# KiCad board AWS PROJECT.kicad_pcb (continued)
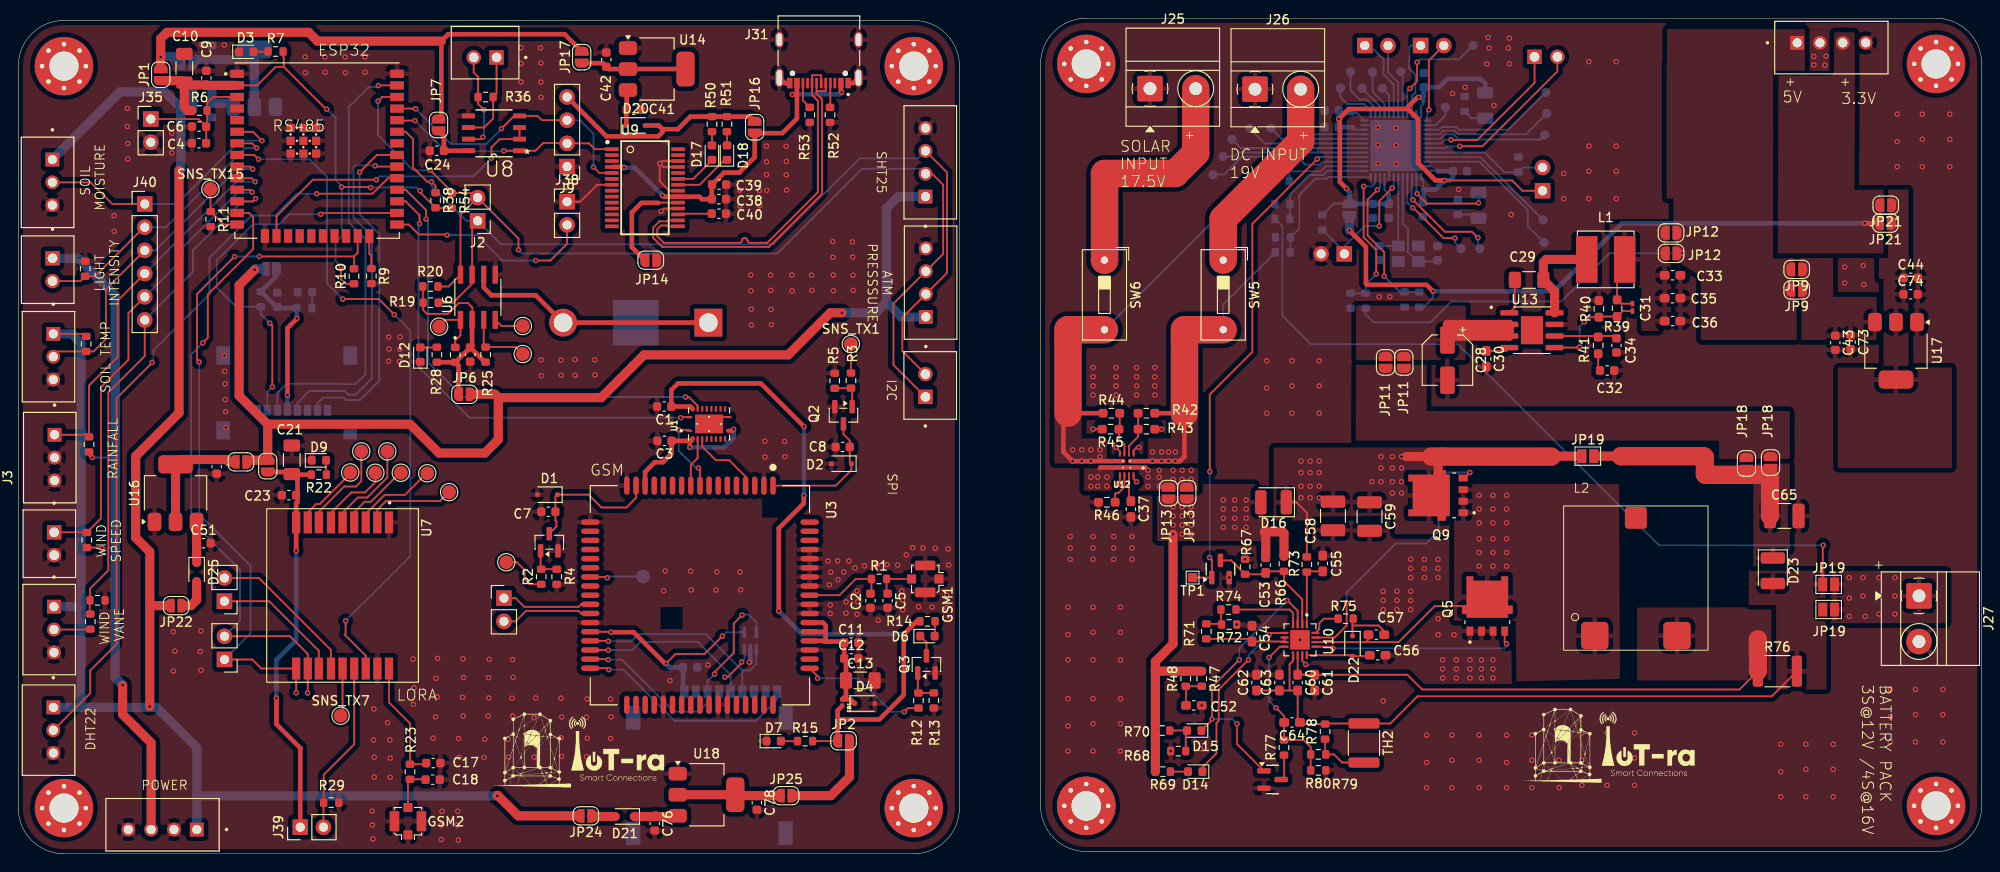
[diagram p0: board, top side]
## Nets (continued)
/power board/srp: C60.1 C61.1 L2.2 R76.1 U10.10
/power board/stat1: D14.1 U10.5
/power board/stat2: D15.1 Q12.1 U10.3
/power board/SW_AP: C29.1 L1.1 U13.8
/power board/ts: R74.2 U10.4
/power board/vfb: C64.2 R77.2 R79.1 R80.2 U10.8
/power board/vref: C54.1 R71.2 U10.6 U10.7
Vbuck: JP11.2 JP11#2.2 JP18.2 JP18#2.2
Net-(C5-Pad1): C5.1 GSM1.1 R1.2
Net-(C11-Pad1): C11.1 C12.1 C13.1 D4.1 FB1.1 U3.55 U3.56 U3.57
Net-(C18-Pad1): C18.1 GSM2.1 R23.2
Net-(C32-Pad1): C32.1 R41.1
Net-(C52-Pad1): C52.1 R47.1 R48.1
Net-(C56-Pad1): C56.1 D22.1 R75.1
Net-(D3-A): D3.2 R7.1
Net-(D6-A): D6.2 R14.1
Net-(D6-K): D6.1 Q3.3
Net-(D7-A): D7.2 R15.1
Net-(D9-A): D9.2 R22.1
Net-(D10-K): D10.1 R31.2
Net-(D12-A): D12.2 R28.1
Net-(D13-A): D13.2 R30.1
Net-(D14-A): D14.2 R69.1
Net-(D15-A): D15.2 R68.2 R70.1
Net-(D16-K): C58.1 C59.1 C65.1 D16.1 D23.1 JP18.1 JP18#2.1 JP19#2.1 JP19#2.2 Q9.5_6 R73.2
Net-(D17-A): D17.2 R50.1
Net-(D17-K): D17.1 U9.23
Net-(D18-A): D18.2 R51.1
Net-(D18-K): D18.1 U9.22
Net-(D19-A): D19.2 U15.2
Net-(D19-K): D19.1 R37.2
Net-(D20-K): C41.1 D20.1 U14.3
Net-(D21-A): D21.2 JP24.1
Net-(D21-K): C76.1 D21.1 U18.3
Net-(D24-A): D24.2 JP10.1
Net-(D24-K): C47.1 D24.1 U11.3
Net-(D25-A): D25.2 JP22.1
Net-(D25-K): C51.1 D25.1 U16.3
Net-(J5-Pin_1): J5.1 U15.30
Net-(J5-Pin_2): J5.2 U15.31
Net-(J6-Pin_1): J6.1 U15.34
Net-(J6-Pin_2): J6.2 U15.37
Net-(J13-Pin_1): J13.1 U7.12
Net-(J13-Pin_2): J13.2 U7.13
Net-(J25-Pin_2): J25.2 SW6.1
Net-(J26-Pin_2): J26.2 SW5.1
Net-(J31-CC1): J31.A5 R52.2
Net-(J31-CC2): J31.B5 R53.2
Net-(J35-Pin_1): C4.2 C6.1 J35.1 R6.2 U2.3
Net-(J37-Pad2): J37.2 R62.1
Net-(J38-Pin_2): J38.2 U2.25
Net-(JP9-A): C43.1 C73.1 JP9.1 JP9#2.1 U17.3
Net-(JP11-A): C28.1 JP11. JP11#2.1 U13.2 U13.3
Net-(JP12-A): C31.1 C33.1 C35.1 C36.1 JP12.1 JP12#2.1 L1.2 R39.1
Net-(JP13-A): JP13.1 JP13#2.1 U12.1 U12.1_1 U12.8 U12.8_1
Net-(JP14-A): JP14.1 U9.19
Net-(JP15-A): C49.1 JP15.1 U11.2
Net-(JP17-A): C42.1 JP17.1 U14.2
Net-(JP21-A): C44.1 C74.1 JP21.1 JP21#2.1 U17.2
Net-(JP23-A): C67.1 JP23.1 U16.2
Net-(JP25-A): C78.1 JP25.1 U18.2
Net-(Q1-B): Q1.1 R2.2 R4.2
Net-(Q2-B): Q2.1 R3.2 R5.2
Net-(Q3-B): Q3.1 R12.2 R13.2
Net-(Q12-D): Q12.3 R77.1
Net-(R71-Pad1): R71.1 R72.2 R74.1
Net-(R78-Pad1): R78.1 R79.2 TH2.2
Net-(U3-USB_VBUS): SNS_TX14.1 U3.24
Net-(U6-VBAT): BT1.1 BT1.1_1 U6.6
Net-(U7-IO4): SNS_TX3.1 U7.5
Net-(U7-IO5): SNS_TX2.1 U7.6
Net-(U7-IO8): SNS_TX6.1 U7.2
Net-(U7-IO9): SNS_TX4.1 U7.4
Net-(U7-IO11): SNS_TX5.1 U7.3
Net-(U7-IO14): SNS_TX7.1 U7.14
Net-(U7-SWC/IO7): SNS_TX11.1 U7.7
Net-(U7-SWD/IO6): SNS_TX12.1 U7.8
Net-(U8-A): J24.1 R36.2 U8.6
Net-(U8-B): J24.2 R36.1 U8.7
Net-(U9-3V3OUT): C40.1 U9.17
Net-(U10-VCC): C55.1 R73.1 U10.1
Net-(U12-ILIM): R46.1 U12.10
Net-(U12-SS): C37.1 U12.11
Net-(U13-BST): C29.2 U13.1
Net-(U13-COMP): C34.1 R41.2 U13.6
Net-(U13-SS): C30.1 U13.4
Net-(U15-PA5): PB3.1 U15.15
Net-(U15-PA7): PB1.1 U15.17
Net-(U15-PA8): PB2.1 U15.29
Net-(U15-PA11): PB4.1 U15.32
Net-(U15-PA12): PB5.1 U15.33
Net-(U15-PA15/JTDI): PB8.1 U15.38
Net-(U15-PB0): PB21.1 U15.18
Net-(U15-PB1): PB22.1 U15.19
Net-(U15-PB3/JTDO-SWO): PB20.1 U15.39
Net-(U15-PB4/~{JTRST}): PB19.1 U15.40
Net-(U15-PB5): PB18.1 U15.41
Net-(U15-PB8): PB11.1 U15.45
Net-(U15-PB9): PB12.1 U15.46
Net-(U15-PB10): PB13.1 U15.21
Net-(U15-PB12): PB14.1 U15.25
Net-(U15-PB13): PB15.1 U15.26
Net-(U15-PB14): PB16.1 U15.27
Net-(U15-PB15): PB17.1 U15.28
Net-(U15-PC14-OSC32_IN): PB7.1 U15.3
Net-(U15-PC15-OSC32_OUT): PB6.1 U15.4

Pads without a net: J10 1 2 3 4 C4 C6 C8; J19 1 8; J31 A8 B8; L2 3; NOREF 1; REF** 1; REF**#2 1; REF**#3 1; REF**#4 1; REF**#5 1; REF**#6 1; REF**#7 1; REF**#8 1; U1 5 6 7 8 9 12 13 14 15 16; U2 4 5 17 18 19 20 21 22 32 39_10 39_11 39_12 39_13 39_14 39_15 39_16 39_17 39_18 39_19 39_20 39_21; U3 3 5 6 7 8 11 12 13 14 19 20 21 22 23 25 26 35 36 37 38 40 41 42 43 44 47 48 49 50 51 53 66 67 68; U9 2 3 6 8 9 10 11 12 13 14 24 27 28; U13 9

## Via types
v1: diameter 0.6, hole 0.3, Top to Bottom, 633 vias

## Routing (per net, layer and track width the routed paths; a pad name or vN(x,y) marks a point on that pad's centre or on a via; arc(x,y) is an arc through that point)
3v3: length 76.3
  Top w0.2: R55.2 9.12,33.52 v1(9.19,33.46) ; R61.2 7.74,43.6 7.96,43.38 v1(8.11,43.38)
  Top w1: v1(11.42,18.46) 11.42,15.26 14.54,12.14 J18.3
  Bottom w0.2: v1(8.11,43.38) 10.5,43.38 10.61,43.49 ; 10.61,32.39 10.61,33.46 v1(9.19,33.46)
  Bottom w1: J15.1 6.55,65.21 10.61,61.14 10.61,19.27 v1(11.42,18.46)
5v: length 207.8
  Top w0.2: R35.2 7.16,56.93 J21.1
  Top w1: v1(14.39,16.12) 14.39,27.17 ; 14.39,27.17 JP22.2 ; 14.39,27.17 14.39,33.07 12.85,34.61 12.85,43.54 17.59,48.28 v1(17.59,74.85) ; v1(52.42,6.34) 52.47,6.39 54.71,4.15 JP24.2
  Bottom w1: 6.88,27.08 6.85,27.05 3.91,27.05 ; 6.88,27.08 6.88,55.89 5.84,56.93 J21.1 ; 6.88,27.08 6.88,16.03 ; 19.54,6.31 19.57,6.34 v1(52.42,6.34) ; 19.54,6.31 J18.1 ; 19.54,6.31 19.54,11.63 15.14,16.03 6.88,16.03 ; v1(17.59,74.85) 17.7,74.85 17.79,74.94 JP10.2 16.02,83.44 11.15,83.44 J20.1 ; 6.88,16.03 J32.1
+3.3V: length 70.5
  Top w0.5: v1(154.82,61.6) 154.13,62.29 147.66,62.29 147.49,62.46 147.49,66.45 v1(145.68,68.26) ; JP21#2.2 202.1,69.05 v1(202.08,69.03)
  Bottom w0.2: v1(154.82,61.6) 154.82,60.88 153.8,59.86 R49.1
  Bottom w0.5: v1(202.08,69.03) 175.52,69.03 168.09,61.6 v1(154.82,61.6)
  Bottom w1: JP20.2 v1(145.68,68.26)
+3.3V_ESP: length 61.9
  Top w0.5: 46.3,80.76 46.3,88.99 47.05,89.74 59.8,89.74 JP17.2
  Top w1: 46.3,88.99 32.74,88.99 31.78,89.95 16.28,89.95 15.59,89.26 15.59,87.25 v1(15.58,87.24) 15.58,85.97 JP1.2
  Bottom w1: v1(15.58,87.24) 15.64,87.3 17.03,87.3 JP15.2
+3.3V_GSM: length 11.1
  Top w1: JP2.2 90.97,8.41 88.92,6.36 JP25.2
+3.3V_LORA: length 128.2
  Top w1: 52.53,49.95 52.53,45.36 51.05,43.88 46.04,43.88 42.89,47.03 27.29,47.03 ; 52.53,49.95 63.8,49.95 68.48,54.63 84.26,54.63 88.87,59.24 v1(90.14,59.24) ; 52.53,49.95 52.16,50.32 49.49,50.32 JP6.2 ; 27.29,47.03 24.17,50.15 24.17,62.26 v1(25.87,63.96) ; 27.29,47.03 27.3,47.02 JP4.2 25.21,43.1 JP23.2
  Bottom w1: 95.01,60.41 96.63,58.79 J28.1 ; 95.01,60.41 93.84,59.24 v1(90.14,59.24) ; 95.01,60.41 95.01,70.7 95.04,70.7 96.3,71.96 99.29,71.96 ; v1(25.87,63.96) 25.96,64.05 JP8.2
+5V: length 38.9
  Bottom w0.2: v1(182.15,65.76) 174.16,65.76 168.87,60.47 156.83,60.47 154.55,58.19 148.33,58.19 147.45,59.07 R57.1
/gate way/VDD_EXT: length 16.5
  Top w0.5: 73.57,45.21 73.5,45.14 v1(73.5,44.49) ; 73.57,45.21 C3.1 71.5,43.83 70.56,42.9 70.56,42.88 69.67,42.88 68.6,41.81 U3.15 ; 73.57,45.21 73.78,45.41 ; U1.10 78.11,46.31 v1(78.28,46.48)
  Bottom w0.5: v1(73.5,44.49) 77.2,44.49 78.28,45.57 v1(78.28,46.48)
/power board/3V3_INPUT: length 16.7
  Top w0.2: v1(148.75,72.7) 147.67,71.62 147.67,67.7 149.49,65.88 v1(149.49,63.24)
  Bottom w0.2: v1(148.75,72.7) 149.02,72.98 U15.10 ; R49.2 153.31,61.53 R56.1 151.2,61.53 v1(149.49,63.24)
/power board/5V_INPUT: length 16.5
  Top w0.2: v1(148.62,63.5) 148.62,66.12 147.24,67.5 v1(147.24,73.08)
  Bottom w0.2: v1(148.62,63.5) 147.45,62.33 R57.2 145.82,61.38 R58.1 ; v1(147.24,73.08) 148.17,73.08 148.52,73.43 U15.11
GND: length 46.6
  Top w0.2: U12.3 122.05,44.16 122.38,44.49 v1(122.63,44.49) ; U12.6 120.55,44.06 v1(120.13,44.49) ; v1(70.2,75.59) 70.2,73.65 71.25,72.6 72.2,72.6 ; v1(70.2,75.59) 70.58,75.2 U9.25 ; v1(70.2,75.59) 70.47,75.85 U9.26 ; U10.11 140.52,21.1 v1(140.88,20.74) ; U1.21 76.35,47.81 U1.11 ; U9.18 70.66,70.66 v1(70.35,70.35) ; U9.7 63.36,73.25 61.5,71.41 J38.1 ; R45.2 v1(117.63,46.49) ; v1(122.38,40.74) 122.05,41.06 U12.12 ; U12.9 120.55,40.66 v1(120.38,40.49) ; R43.2 v1(125.13,46.49)
  Top w0.5: J31.S2 83.88,84.39 J31.B1_A12 ; J31.S1 91.36,84.39 J31.A1_B12
  Bottom w0.2: U15.49 150.02,76.78 U15.8 ; U15.49 153.02,75.28 U15.47 ; U15.49 v1(148.78,79.53) 148.52,79.78 U15.23 ; U15.49 153.02,79.78 U15.35
  Bottom w0.5: v1(80,20.97) 80.12,21.09 D5.2
  vias: v1(10.47,69.88) v1(10.49,68.15) v1(11.94,81.62) v1(11.94,79.64) v1(11.98,77.77) v1(11.98,76.08) v1(16.79,78.9) v1(16.79,76.76) v1(16.97,24.32) v1(16.97,20) v1(17.14,22.18) v1(19.92,22.14) v1(19.99,24.41) v1(19.99,20.09) v1(20.08,88.59) v1(21.24,88.57) v1(22.55,88.57) v1(22.56,54.56) v1(22.58,52.83) v1(22.63,51.46) v1(22.65,49.73) v1(22.69,48.41) v1(22.71,46.68) v1(31.4,87.27) v1(31.42,85.54) v1(33.56,87.24) v1(33.59,85.58) v1(35.77,87.27) v1(35.79,85.54) v1(37.93,87.24) v1(37.96,85.58) v1(38.73,4.66) v1(38.75,3.15) v1(38.88,12.45) v1(38.81,1.62) v1(38.92,15.86) v1(38.96,10.57) v1(38.96,8.4) v1(40.41,14.35) v1(40.54,56.59) v1(40.52,53.94) v1(40.59,55.27) v1(40.67,12.47) v1(40.71,10.47) v1(40.71,8.37) v1(41.77,56.59) v1(41.76,55.24) v1(41.72,53.9) v1(43.21,21.32) v1(43.24,16.36) v1(43.32,18.17) v1(45.4,12.65) v1(45.67,14.99) v1(45.72,19.21) v1(45.84,17.17) v1(45.89,21.39) v1(46.37,4.64) v1(46.34,3.15) v1(46.3,1.56) v1(48.03,3.15) v1(48.18,12.61) v1(48.09,4.66) v1(48.16,1.49) v1(48.25,10.56) v1(48.67,21.35) v1(48.62,17.13) v1(48.74,19.3) v1(48.69,15.08) v1(50.97,10.54) v1(51.05,12.54) v1(51.46,19.28) v1(51.41,15.06) v1(51.54,21.28) v1(51.49,17.06) v1(53.6,12.52) v1(53.66,10.58) v1(54.04,17.04) v1(54.09,21.26) v1(54.15,19.32) v1(54.1,15.1) v1(55,88.27) v1(55.02,86.54) v1(55.03,84.52) v1(55.05,82.79) v1(56.45,14.89) v1(56.45,10.57) v1(56.62,17.07) v1(56.62,12.75) v1(57.16,88.24) v1(57.19,86.58) v1(57.19,84.49) v1(57.22,82.83) v1(57.23,54.08) v1(57.25,52.35) v1(59.39,54.05) v1(59.42,52.39) v1(59.4,17.03) v1(59.47,14.98) v1(59.4,12.71) v1(59.47,10.66) v1(60.92,54.12) v1(60.94,52.39) v1(62.27,16.96) v1(62.19,14.96) v1(62.27,12.64) v1(62.19,10.64) v1(63.08,54.09) v1(63.11,52.43) v1(64.82,16.94) v1(64.88,15) v1(64.82,12.62) v1(64.88,10.68) v1(70.63,28.8) v1(70.8,30.98) v1(71.32,18.97) v1(73.58,30.94) v1(73.65,28.89) v1(75.48,20.68) v1(76.37,28.87) v1(76.45,30.87) v1(78.96,72.66) v1(78.98,70.93) v1(79,30.85) v1(79.06,28.91) v1(80.16,63.38) v1(80.18,61.65) v1(80.23,59.63) v1(80.25,57.9) v1(81.12,72.63) v1(81.15,70.97) v1(81.7,45.18) v1(81.72,43.45) v1(81.87,77.5) v1(81.89,75.77) v1(81.89,74.37) v1(81.91,72.64) v1(82.32,63.35) v1(82.35,61.69) v1(82.39,59.6) v1(82.42,57.94) v1(83.86,45.15) v1(83.89,43.49) v1(84.03,77.47) v1(84.06,75.81) v1(84.05,74.34) v1(84.08,72.68) v1(84.66,63.38) v1(84.68,61.65) v1(86.82,63.35) v1(86.85,61.69) v1(88.63,32.06) v1(88.76,29.46) v1(88.87,27.24) v1(88.87,26.31) v1(88.92,30.83) v1(89.13,67.04) v1(89.15,65.31) v1(89.19,63.38) v1(89.21,61.65) v1(89.68,32.07) v1(89.72,30.01) v1(90.33,30.86) v1(90.6,27.58) v1(90.59,26.34) v1(90.9,32.06) v1(91.29,67.01) v1(91.32,65.35) v1(91.35,63.35) v1(91.38,61.69) v1(91.57,31.3) v1(91.79,28.77) v1(91.86,27.6) v1(91.79,26.22) v1(92.6,31.52) v1(94,31.65) v1(94.11,25.56) v1(95.09,31.67) v1(96.23,31.61) v1(96.69,28.78) v1(96.79,27.78) v1(96.8,26.72) v1(97.18,32.74) v1(97.87,33.52) v1(98.53,27.05) v1(98.99,33.47) v1(100.01,27.01) v1(100.36,33.45) v1(101.61,28.3) v1(101.61,26.94) v1(101.77,33.38) v1(101.82,31.62) v1(114.88,26.99) v1(114.88,23.99) v1(114.88,21.24) v1(114.88,16.99) v1(114.88,13.99) v1(114.88,11.24) v1(115.13,34.74) v1(115.13,33.49) v1(115.13,32.24) v1(117.63,53.24) v1(117.63,52.24) v1(117.63,51.24) v1(117.63,50.24) v1(117.63,34.74) v1(117.63,33.49) v1(117.63,32.24) v1(117.63,26.99) v1(117.63,24.24) v1(117.63,21.24) v1(117.63,16.99) v1(117.63,14.24) v1(117.63,11.24) v1(119.88,34.74) v1(119.88,33.49) v1(119.88,32.24) v1(120.13,53.24) v1(120.13,52.24) v1(120.13,51.24) v1(120.13,50.24) v1(120.63,26.99) v1(120.63,24.24) v1(120.63,21.24) v1(120.63,16.99) v1(120.63,14.24) v1(120.63,11.24) v1(121.88,34.74) v1(121.88,33.49) v1(121.88,32.24) v1(122.38,53.24) v1(122.38,52.24) v1(122.38,51.24) v1(122.38,50.24) v1(124.38,53.24) v1(124.38,52.24) v1(124.38,51.24) v1(124.38,50.24) v1(126.12,11.24) v1(129.38,11.49) v1(129.52,16.24) v1(132.52,30.24) v1(133.34,25.1) v1(134.27,32.25) v1(136.63,53.99) v1(136.63,50.99) v1(136.63,48.24) v1(139.38,53.99) v1(139.38,51.24) v1(139.38,48.24) v1(140.27,23.42) v1(142.38,53.99) v1(142.38,51.24) v1(142.38,48.24) v1(148.8,77.62) v1(148.81,75.58) v1(148.95,61) v1(149.38,28.74) v1(149.38,27.74) v1(149.38,26.74) v1(149.38,16.74) v1(150.1,61) v1(150.79,79.48) v1(150.8,77.58) v1(150.81,75.54) v1(150.88,28.74) v1(150.88,27.74) v1(150.88,26.74) v1(152.38,32.24) v1(152.38,31.24) v1(152.38,30.24) v1(152.38,28.74) v1(152.38,27.74) v1(152.38,26.74) v1(153.88,32.24) v1(153.88,31.24) v1(153.88,30.24) v1(154.13,12.99) v1(154.13,9.99) v1(154.13,7.24) v1(155.38,32.24) v1(155.38,31.24) v1(155.38,30.24) v1(155.38,25.74) v1(155.38,23.99) v1(155.88,21.24) v1(155.88,20.24) v1(155.88,19.24) v1(156.97,83.25) v1(156.88,12.99) v1(156.88,10.24) v1(156.88,7.24) v1(157.13,23.99) v1(157.38,21.24) v1(157.38,20.24) v1(157.38,19.24) v1(157.63,72.74) v1(158.36,83.93) v1(158.88,21.24) v1(158.88,20.24) v1(158.88,19.24) v1(159.88,12.99) v1(159.88,10.24) v1(159.88,7.24) v1(160.13,21.24) v1(160.13,20.24) v1(160.13,19.24) v1(160.73,86.49) v1(160.86,89.4) v1(160.97,88.22) v1(161.38,21.24) v1(161.38,20.24) v1(161.38,19.24) v1(161.51,81.93) v1(162.88,12.99) v1(162.88,9.99) v1(162.88,7.24) v1(163.08,88.22) v1(163.19,89.3) v1(163.19,86.49) v1(163.38,69.99) v1(165.63,12.99) v1(165.63,10.24) v1(165.63,7.24) v1(168.63,12.99) v1(168.63,10.24) v1(168.63,7.24) v1(169.13,74.49) v1(169.13,71.74) v1(171.13,13.24) v1(171.13,10.24) v1(171.13,7.49) v1(171.88,86.74) v1(171.88,77.49) v1(171.88,74.74) v1(171.88,71.74) v1(173.88,13.24) v1(173.88,10.49) v1(173.88,7.49) v1(174.88,86.74) v1(174.88,77.49) v1(174.88,74.74) v1(174.88,71.74) v1(176.88,13.24) v1(176.88,10.49) v1(176.88,7.49) v1(192.88,11.99) v1(192.88,8.99) v1(192.88,6.24) v1(195.63,11.99) v1(195.63,9.24) v1(195.63,6.24) v1(196.5,87.31) v1(196.51,86.38) v1(197.72,86.35) v1(197.84,87.34) v1(198.63,11.99) v1(198.63,9.24) v1(198.63,6.24) v1(199.88,64.24) v1(199.88,62.49) v1(201.92,64.4) v1(201.98,62.33) v1(204.88,17.99) v1(204.88,14.99) v1(204.88,12.24) v1(205.63,80.99) v1(205.63,77.99) v1(205.63,75.24) v1(207.63,17.99) v1(207.63,15.24) v1(207.63,12.24) v1(208.38,80.99) v1(208.38,78.24) v1(208.38,75.24) v1(210.63,17.99) v1(210.63,15.24) v1(210.63,12.24) v1(211.38,80.99) v1(211.38,78.24) v1(211.38,75.24)
VBUS: length 38.8
  Top w0.5: 85.22,83.14 85.22,80.51 83.62,78.91 JP16.1 80.59,76.28 78.9,74.59 77.23,74.59 C39.1 75.91,73.26 75.91,71.68 74.81,71.68 74.53,71.95 U9.20 70.64,71.95 v1(70.5,72.09) ; 85.22,83.14 85.21,83.15 v1(84.71,83.15) ; 85.22,83.14 J31.B4_A9 ; U9.4 66.25,75.2 v1(66.32,75.14) ; v1(90.11,83.38) 90.02,83.47 J31.A4_B9
  Bottom w0.5: v1(90.11,83.38) 89.88,83.15 v1(84.71,83.15) ; v1(70.5,72.09) 67.45,75.14 v1(66.32,75.14)
VCC: length 25.6
  Top w0.5: D20.2 70.09,79.75 70.5,79.34 ; 70.5,79.34 70.5,79.02 70.04,78.56 64.37,78.56 J9.4 ; 70.5,79.34 72.18,79.34 73.56,80.72 R50.2 R51.2 80.08,80.72 JP16.2
VDD: length 82.2
  Top w0.2: v1(156.09,73.73) 163.49,73.73 164.62,72.6 J7.1
  Top w0.5: 152.09,81.55 152.09,81.79 153.12,82.83 v1(153.27,82.83) ; 152.09,81.55 153.2,80.44 153.2,75.64 155.11,73.73 v1(156.09,73.73) ; 152.09,81.55 145.61,81.55 144.64,80.58 144.64,73.57 v1(145.38,72.83)
  Bottom w0.2: 153.72,72.7 153.78,72.75 153.78,73.84 U15.1 ; R32.2 143.96,71.19 JP20.1 ; 145.86,79.45 146.15,79.45 146.32,79.28 U15.22 ; 146.03,81.11 146.51,81.11 U15.24 ; U15.36 153.52,81.85 153.77,82.09 153.77,82.42 ; 149.99,72.22 149.52,72.69 U15.9 ; U15.48 155.32,74.78
  Bottom w0.5: C72.1 153.83,71.45 153.83,72.6 153.72,72.7 153.75,72.72 155.08,72.72 v1(156.09,73.73) 156.68,73.73 157.01,74.07 C26.1 155.37,74.73 155.32,74.78 ; D10.2 160.54,84.35 160.05,84.84 156.41,84.84 155.5,83.94 C68.1 153.84,83.35 153.77,83.28 153.77,82.9 ; C27.1 144.5,81.35 v1(144.5,80.46) C69.1 146.04,79.56 146.15,79.45 ; 153.77,82.9 153.77,82.42 ; 153.77,82.9 153.35,82.9 v1(153.27,82.83) ; 144.53,81.12 146.02,81.12 146.03,81.11 ; 149.99,72.22 C71.1 148.26,71.17 C70.1 145.71,71.16 JP20.1 145.68,72.53 v1(145.38,72.83)
/gate way/32khz: length 6
  Top w0.2: R24.1 47.82,56.2 48.39,56.77 U6.1 46.69,58.46 46.06,57.83 SNS_TX8.1
/gate way/-rs485 en: length 34.2
  Top w0.2: U2.16 28.26,69.82 32.25,73.81 v1(39.18,73.81) ; v1(51.78,76.17) 51.78,77.36 52.67,78.25 U8.2 U8.3
  Bottom w0.2: v1(39.18,73.81) 39.55,74.18 49.79,74.18 v1(51.78,76.17)
/gate way/D+: length 10
  Top w0.2: U3.27 61.6,27.31 61.33,27.03 55.38,27.03 54.43,27.99 J1.1
/gate way/D-: length 10
  Top w0.2: U3.28 61.6,26.31 61.33,26.58 55.56,26.58 54.43,25.45 J1.2
/gate way/DAVIS 7852: length 43
  Top w0.2: J3.1 7.52,45.88 R61.1 7.74,51.27 10.88,54.41 10.88,60.57 J40.4 ; 7.68,45.88 7.92,45.63 ; v1(25.94,73.59) 25.55,73.98 U2.10
  Bottom w0.2: v1(25.94,73.59) 23.9,73.59 J40.4
/gate way/DHT22: length 82.9
  Top w0.2: U2.29 40.46,73.98 38.76,72.28 v1(32.65,72.28) ; v1(14.64,53.79) 14.64,53.76 10.76,49.88 10.76,22.96 7.87,20.07 7.87,17.56 J32.2
  Bottom w0.2: v1(14.64,53.79) 14.77,53.92 14.77,55.13 20.92,61.28 20.92,65.24 25.57,69.89 28.1,69.89 30.49,72.28 v1(32.65,72.28)
/gate way/DS18B20: length 35.3
  Top w0.2: J21.2 4.41,55 R35.1 8.24,55 9.59,56.35 9.59,61.82 J40.3 ; U2.9 25.37,75.25 v1(25.65,74.97)
  Bottom w0.2: J40.3 15.01,66.07 23.91,74.97 v1(25.65,74.97)
/gate way/ESP32 power in: length 61.1
  Top w0.2: U2.2 26.14,84.14 28.17,86.17 29.05,86.17 ; v1(35.38,73.01) 38.5,73.01 v1(38.56,72.95) ; R10.1 35.83,62.41 35.32,62.93 35.32,64.31 v1(35.3,64.33) ; 29.05,86.17 29.05,87.21 28.98,87.28 R7.2 ; 29.05,86.17 33.69,81.53 v1(33.76,81.53) ; v1(43.97,72.59) 43.97,72.44 R38.2 45.71,70.69 R54.2
  Top w1: C10.1 18.17,81.73 18.51,81.39 R6.1 ; C10.1 18.44,84.19 C9.1 20.62,84.14 U2.2 ; C10.1 17.97,84.66 JP1.1
  Bottom w0.2: v1(38.56,72.95) 43.61,72.95 v1(43.97,72.59) ; v1(35.3,64.33) 34.72,64.91 34.72,66.89 35.39,67.56 35.39,73.12 34.72,73.79 34.72,80.57 v1(33.76,81.53)
/gate way/ESP_RX: length 51.7
  Top w0.2: v1(72.5,47.75) 72.56,47.81 U1.20 ; U2.27 42.4,71.44 43.91,69.93 v1(43.91,68.99)
  Bottom w0.2: v1(43.91,68.99) 43.79,68.87 43.79,53.34 49.38,47.75 v1(72.5,47.75)
/gate way/ESP_TX: length 52.7
  Top w0.2: 74.35,48.71 74.35,49.06 73.39,50.02 v1(73.01,50.02) ; v1(44.63,69.49) 44.63,70.48 42.4,72.71 U2.28
  Bottom w0.2: v1(44.63,69.49) 44.85,69.27 44.85,53.82 48.65,50.02 v1(73.01,50.02)
/gate way/gsm power key: length 3.4
  Top w0.2: 91.27,52.5 R3.1 91.13,54.22 91.12,54.23 SNS_TX1.1
/gate way/gsm reset: length 5.4
  Top w0.2: R2.1 55.98,29.5 55.42,30.07 55.42,31.07 54.57,31.92 SNS_TX13.1
/gate way/gsm rx: length 5.4
  Top w0.2: U1.3 74.35,43.34 73.6,42.59 U3.10
/gate way/gsm tx: length 8.4
  Top w0.2: U1.1 73.36,46.41 v1(72.27,46.41) ; U3.9 74.6,42.09 v1(74.44,42.25)
  Bottom w0.2: v1(74.44,42.25) 74.16,42.25 72.27,44.14 v1(72.27,46.41)
/gate way/GSM_pw in: length 81.2
  Top w0.2: JP2.1 89.63,12.33 R15.2
  Top w0.5: 89.67,14.7 89.67,15.68 90.18,16.19 ; 89.67,14.7 JP2.1 ; 89.67,14.7 94.22,14.7 96.91,17.39 v1(96.91,24.05) 98.32,25.45 R14.2 ; v1(85.99,46.78) 81.26,51.51 72.2,51.51 71.47,50.77 C1.1 73.52,48.97 73.78,48.71 ; v1(85.97,39.23) 85.97,38.38 83.23,35.64 v1(83.23,26.57)
  Bottom w0.5: v1(85.97,39.23) 85.99,39.25 v1(85.99,46.78) ; v1(83.23,26.57) 85.75,24.05 v1(96.91,24.05)
/gate way/I2C SCL: length 117.7
  Top w0.2: R20.1 47.1,62.12 U6.8 48.39,69.97 J2.2 ; J2.2 49.77,72.34 R54.1 47.44,72.49 v1(45.08,74.85) ; J2.2 54.74,67.38 v1(54.74,66.14) ; 99.29,74.46 100.01,74.46 101.22,73.25 101.22,65.69 J28.3 95.78,60.25 95.78,53.52 J29.1 ; U2.36 39.83,82.87 v1(39.36,82.4)
  Bottom w0.2: v1(54.74,66.14) 55.14,65.74 83.08,65.74 92.35,75.01 98.74,75.01 99.29,74.46 ; v1(39.36,82.4) 39.36,78.71 43.22,74.85 v1(45.08,74.85)
/gate way/I2C SDA: length 110.8
  Top w0.2: U2.33 42.4,79.06 43.2,78.26 43.2,75.14 44.76,73.58 v1(45.22,73.58) 45.67,73.13 R38.1 ; 99.29,76.96 101.64,74.61 101.64,63.61 J28.2 96.75,58.72 96.75,55.05 J29.2 ; J2.1 49.66,68.7 U6.7 49.66,62.43 47.58,60.34 R19.1
  Bottom w0.2: 99.29,76.96 98.47,76.15 92.08,76.15 82.67,66.74 52.84,66.74 J2.1 49.03,69.31 45.22,73.12 v1(45.22,73.58)
/gate way/INSPEED VORTEX: length 51
  Top w0.2: U2.11 25.34,72.71 v1(25.6,72.45) ; J40.5 12.06,59.21 12.06,54.1 9.04,51.08 9.04,36.71 R55.1 7.48,35.2 J14.1
  Bottom w0.2: v1(25.6,72.45) 25.57,72.42 24.05,72.42 18.01,66.38 18.01,65.16 J40.5
/gate way/INSPEEED VANE: length 55.9
  Top w0.2: v1(25.97,71.74) 25.67,71.44 U2.12 ; 7.82,26.21 7.82,27.73 R63.2 7.84,29.02 9.86,31.04 9.86,50.52 13.84,54.5 J40.6
  Bottom w0.2: v1(25.97,71.74) 25.65,71.42 24.46,71.42 19.13,66.09 19.13,63.74 J40.6
/gate way/LORA ANT: length 13.3
  Top w0.2: C17.1 44.52,9.8 R23.1 42.87,14.27 40.57,16.57 U7.18
/gate way/LORA BOOT: length 18.8
  Top w0.2: J39.2 33.4,5.57 R29.2 33.42,8.64 36.76,11.98 U7.15
/gate way/lora power in: length 45.9
  Top w0.5: v1(30.42,33.19) 30.41,33.2 U7.9 30.41,38.37 30.56,38.52 30.56,40.95 C21.1 ; C21.1 29.71,41.8 JP4.1 ; C21.1 30,41.51 R22.2 ; J39.1 30.86,11.58 28.25,14.19 v1(28.25,17.04)
  Bottom w0.5: v1(28.25,17.04) 28.24,17.05 28.24,21.24 30.42,23.42 v1(30.42,33.19)
/gate way/LORA RST: length 74.7
  Top w0.2: v1(41.16,59.03) 39.45,60.74 v1(35.51,60.74) ; v1(35.82,25.5) 35.82,24.07 35.73,23.98 38.03,21.68 U7.16 ; U2.8 25.82,76.52 v1(26.29,76.05)
  Bottom w0.2: v1(26.29,76.05) 31.89,76.05 33.78,74.16 33.78,62.47 v1(35.51,60.74) ; v1(41.16,59.03) 42.89,57.3 42.89,32.57 v1(35.82,25.5)
/gate way/LORA_RX: length 67.8
  Top w0.2: v1(20.19,55.94) 20.74,56.49 20.74,61.25 25.71,66.22 25.71,69.71 25.25,70.17 U2.13 ; J12.2 24.03,23.81 24.04,23.82 29.74,23.82 31.68,21.88 U7.11 31.68,17.62 v1(31.66,17.6)
  Bottom w0.2: v1(20.19,55.94) 18.92,54.67 18.92,36.44 24.27,31.09 24.27,25.52 J12.2
/gate way/LORA_TX: length 77.2
  Top w0.2: U2.23 37.15,65.82 36.74,65.41 ; 36.74,65.41 v1(26.39,65.41) ; 36.74,65.41 R10.2 ; v1(19.8,53.84) 19.56,54.08 19.56,61.29 v1(23.66,65.39) ; v1(30.42,17.63) 30.41,17.64 U7.10 26.6,20.28 25.6,21.27 J12.1
  Bottom w0.2: v1(26.39,65.41) 26.37,65.39 v1(23.66,65.39) ; J12.1 25.42,24.12 25.42,31.54 19.8,37.16 v1(19.8,53.84)
/gate way/main ant: length 9.2
  Top w0.2: C2.1 93.37,28.6 93.37,30.09 91.65,30.09 89.87,28.31 U3.60
/gate way/netlight: length 14.2
  Top w0.2: R12.1 97.36,15.95 v1(96.95,15.54) ; U3.52 87.47,19.44 v1(87.47,19.21)
  Bottom w0.2: v1(87.47,19.21) 91.88,19.21 95.55,15.54 v1(96.95,15.54)
/gate way/nreset: length 15.7
  Top w0.2: U3.16 67.6,38.97 66.54,37.91 63.82,37.91 62.41,39.32 D1.1 58.78,39.1 C7.1 58.78,36.45 58.9,36.34 58.9,35.83 Q1.3
/gate way/pwkey: length 14.7
  Top w0.2: U3.1 89.47,40.31 91.18,42.02 D2.1 91,42.89 C8.1 91,45.25 90.31,45.94 Q2.3
/gate way/ri: length 7.9
  Top w0.2: U3.4 79.6,41.3 77.81,43.09 76.34,43.09 74.85,44.58 U1.4
/gate way/RS485 power in: length 5.1
  Top w0.5: U8.8 46.58,76.98 46.58,78.57 JP7.1
/gate way/RTC INT: length 7.4
  Top w0.2: SNS_TX9.1 54.44,55.48 R25.1 50.94,55.7 U6.3
/gate way/RTC power input: length 23.6
  Top w0.2: R20.2 44.27,60.37 R19.2 44.3,59.54 44.73,59.12 47.02,59.12 48.2,60.3 49.21,60.3 49.69,59.82 49.69,58.49 U6.2
  Top w0.5: R28.2 47.8,53.82 R24.2 ; JP6.1 48.18,53.44 R24.2 ; C22.1 51.07,53.83 R25.2 ; C22.1 49.66,55.65 U6.2 ; C22.1 R24.2
/gate way/RTC RST: length 3.3
  Top w0.2: SNS_TX10.1 52.88,57.79 U6.4
/gate way/rx: length 25.6
  Top w0.2: v1(43.42,80.28) 41.5,80.28 U2.34 ; U9.1 63.09,77.16 62.46,77.79 J9.2 60.02,77.83 57.45,77.83 56.61,76.98 U8.1 v1(53.14,76.98)
  Bottom w0.2: v1(43.42,80.28) 46.77,76.93 53.08,76.93 v1(53.14,76.98)
/gate way/S1223: length 30.7
  Top w0.2: J15.2 6.79,62.71 7.32,63.23 8.39,63.23 13.78,68.62 13.83,68.62 J40.2 ; v1(26.09,77.29) 25.59,77.79 U2.7
  Bottom w0.2: J40.2 16.15,68.61 24.83,77.29 v1(26.09,77.29)
/gate way/SD CS: length 42.6
  Top w0.2: v1(27.52,58.1) 27.8,57.82 27.8,51.14 v1(27.81,51.13) ; U2.26 33.23,70.17 v1(33.08,70.02)
  Bottom w0.2: J19.2 27.25,50.57 v1(27.81,51.13) ; v1(33.08,70.02) 29.65,70.02 28.55,68.92 25.66,68.92 21.72,64.98 21.72,62.03 23.85,59.9 R34.1 26.55,59.07 v1(27.52,58.1)
/gate way/SD power in: length 19.5